# KiCad board boatcontrol.kicad_pcb (continued)
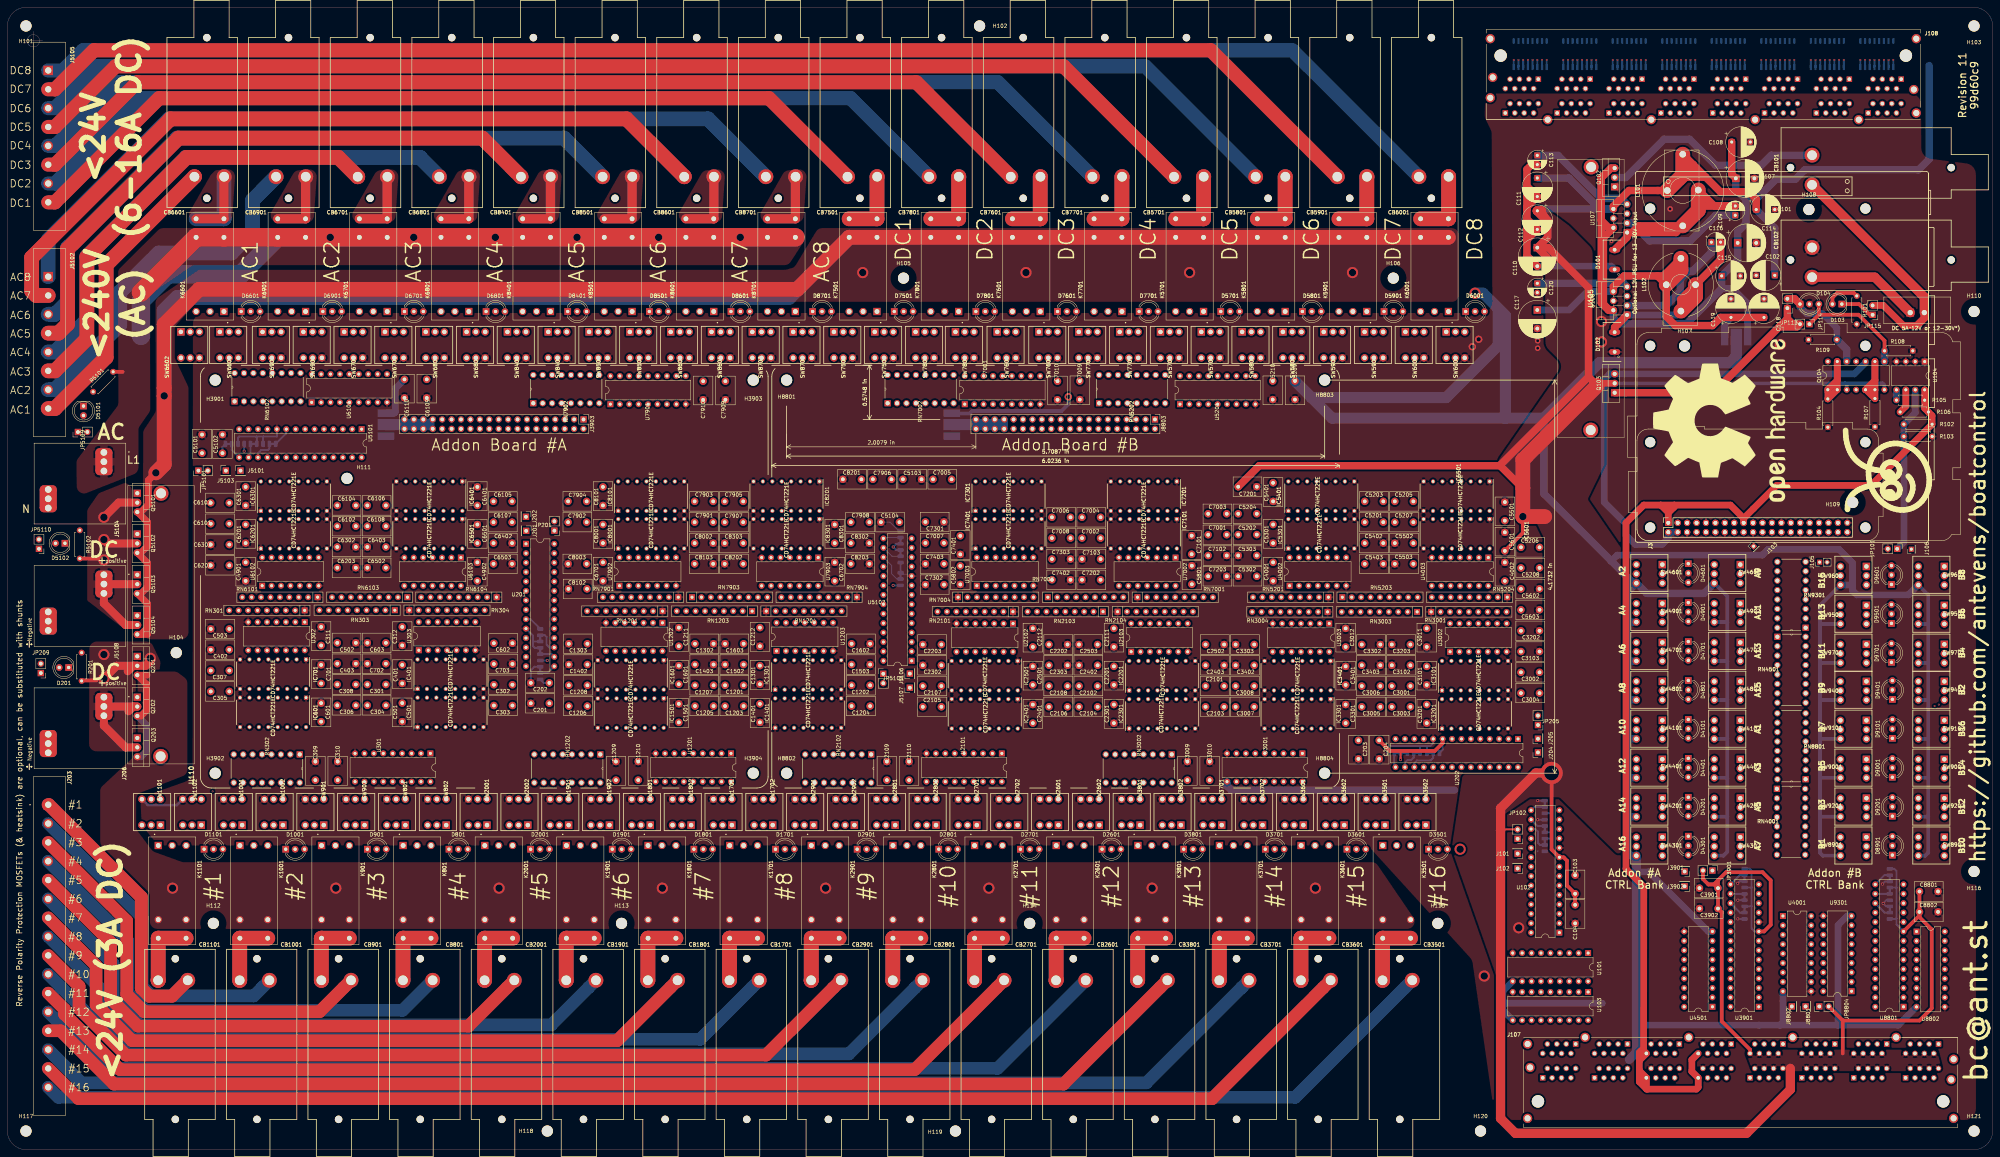
[diagram p0: board, top side]
## Routing (per net, layer and track width the routed paths; a pad name or vN(x,y) marks a point on that pad's centre or on a via; arc(x,y) is an arc through that point) (continued)
/Mixed 12V DC / 230V AC Common Bank/12V DC 10/16A Block/DIG_ON_C4: length 72.2
  In1.Cu w0.25: v4(275.2,154) 275.2,158.42 U7003.9 ; v4(246.55,133.7) 245.9,133.05 242.6,133.05 v4(241.9,132.35) ; v4(248.4,140.7) 247.55,141.55 247.55,146.76 250.86,150.08 252.61,150.08 253.53,149.16 253.53,148 253.8,147.73 264.43,147.73 265,148.3 265.1,148.4 265.1,149.65 265.8,150.35 275.12,150.35 RN7004.9
  In2.Cu w0.25: U5102.27 238.07,132.35 v4(241.9,132.35) ; RN7004.9 275.2,150.27 v4(275.2,154) ; v4(246.55,133.7) 248.4,135.55 v4(248.4,140.7)
/Mixed 12V DC / 230V AC Common Bank/12V DC 10/16A Block/MultiVibrator10A1/MUX_OFF: length 160.6
  In1.Cu w0.25: v4(250.15,197.75) 249.02,198.88 224.38,198.88 v4(218,192.5)
  In2.Cu w0.25: U7001.2 260.54,202.13 259.69,202.98 249.78,202.98 248.65,201.85 248.65,199.25 v4(250.15,197.75) ; v4(218,192.5) 223.45,187.05 233.15,187.05 236.87,183.33 236.87,180.09 237.59,179.37 238.7,179.37 244.25,173.82 247.25,173.82 251.02,170.05 251.02,168.58 251.05,168.55 251,168.44 255.41,164.02 279.08,164.02 280.92,162.19 292.33,162.19 293.44,163.3 300.1,163.3 304.99,168.19 IC7101.5
/Mixed 12V DC / 230V AC Common Bank/12V DC 10/16A Block/MultiVibrator10A1/MUX_ON: length 159
  In1.Cu w0.25: v4(216.5,192.5) 223.38,199.38 249.57,199.38 v4(251.2,197.75)
  In2.Cu w0.25: U7001.1 258,202.05 257.57,202.48 251.76,202.48 251.76,202.46 251.2,201.9 v4(251.2,197.75) ; IC7101.13 306.43,160.99 296.76,160.99 294.95,162.8 293.65,162.8 292.54,161.69 280.71,161.69 278.88,163.52 255.21,163.52 250.5,168.23 250.5,168.3 250.5,169.86 247.04,173.32 244.04,173.32 238.49,178.87 237.38,178.87 236.37,179.88 236.37,183.12 232.94,186.55 222.45,186.55 v4(216.5,192.5)
/Mixed 12V DC / 230V AC Common Bank/12V DC 10/16A Block/MultiVibrator10A1/R1: length 42.1
  In1.Cu w0.25: v4(304.62,157.18) 300.85,153.4 300.85,150.21 300.72,150.08 RN7003.9
  In2.Cu w0.25: C7001.1 326.9,167.5 315.48,167.5 IC7101.14 311,161.15 311,158.75 310.35,158.1 308.08,158.1 307.43,157.45 307.4,157.45 307.4,157.42 304.87,157.42 v4(304.62,157.18)
/Mixed 12V DC / 230V AC Common Bank/12V DC 10/16A Block/MultiVibrator10A1/R2: length 32.8
  In1.Cu w0.25: v4(294.32,150.55) 292.85,152.02 292.85,163.14 C7002.1
  In2.Cu w0.25: C7002.1 295.6,163.89 299.46,163.89 302.44,166.88 IC7101.6 ; RN7003.8 297.38,149.75 296.58,149.75 295.78,150.55 v4(294.32,150.55)
/Mixed 12V DC / 230V AC Common Bank/12V DC 10/16A Block/MultiVibrator10A1/RC1: length 13.5
  In2.Cu w0.25: C7001.2 322.4,167 317.52,167 IC7101.15
/Mixed 12V DC / 230V AC Common Bank/12V DC 10/16A Block/MultiVibrator10A1/RC2: length 12.4
  In2.Cu w0.25: C7002.2 292.56,164.89 296.76,169.08 298.96,169.08 IC7101.7
/Mixed 12V DC / 230V AC Common Bank/12V DC 10/16A Block/MultiVibrator10A2/MUX_OFF: length 147.4
  In1.Cu w0.25: v4(250.9,193.25) 250.15,192.5 v4(225.5,192.5)
  In2.Cu w0.25: 245.78,203.98 262.64,203.98 U7001.4 ; 245.78,203.98 245.73,203.98 243.55,201.8 243.55,200.7 244.2,200.05 245.77,200.05 248.7,197.12 249.31,197.12 250.9,195.54 v4(250.9,193.25) ; 245.78,203.98 245.76,203.98 ; IC7201.5 304.02,181.13 273.49,181.13 272.83,181.8 270.47,181.8 269.65,182.62 248.35,182.62 241.43,189.55 228.45,189.55 v4(225.5,192.5)
/Mixed 12V DC / 230V AC Common Bank/12V DC 10/16A Block/MultiVibrator10A2/MUX_ON: length 168.6
  In1.Cu w0.25: v4(219.45,192.5) 225.33,198.38 248.42,198.38 v4(249.05,197.75) ; IC7201.13 306.58,173.17 281.82,173.17 v4(281.1,172.45)
  In2.Cu w0.25: U7001.3 260.6,203.48 247.78,203.48 246.1,201.8 246.1,200.7 v4(249.05,197.75) ; v4(281.1,172.45) 279.85,171.2 279.85,168.65 275.72,164.52 258.88,164.52 258.2,165.2 258.2,171.09 256.96,172.33 251.22,172.33 247.97,175.58 246.14,175.58 242.97,178.74 242.97,185.18 240.6,187.55 224.4,187.55 v4(219.45,192.5)
/Mixed 12V DC / 230V AC Common Bank/12V DC 10/16A Block/MultiVibrator10A2/R1: length 54
  In1.Cu w0.25: RN7003.7 298,151.31 298,154.79 v4(300.31,157.09)
  In2.Cu w0.25: 311.25,171.05 313.4,171.05 313.85,170.6 313.85,169.51 314.86,168.5 325.65,168.5 C7003.1 ; 311.25,171.05 IC7201.14 ; 311.25,171.05 311.25,166.11 308.54,163.4 308.54,159.28 307.24,157.97 304.38,157.97 303.5,157.09 v4(300.31,157.09)
/Mixed 12V DC / 230V AC Common Bank/12V DC 10/16A Block/MultiVibrator10A2/R2: length 35.8
  In1.Cu w0.25: RN7003.6 292.28,149.77 292.28,165.54 v4(292.53,165.79)
  In2.Cu w0.25: IC7201.6 294.6,172.33 C7004.1 294.6,167.86 v4(292.53,165.79)
/Mixed 12V DC / 230V AC Common Bank/12V DC 10/16A Block/MultiVibrator10A2/RC1: length 11.6
  In2.Cu w0.25: C7003.2 322.19,171.45 321.84,171.1 314.53,171.1 313.4,172.23 IC7201.15
/Mixed 12V DC / 230V AC Common Bank/12V DC 10/16A Block/MultiVibrator10A2/RC2: length 14.3
  In2.Cu w0.25: C7004.2 290.23,170.5 IC7201.7
/Mixed 12V DC / 230V AC Common Bank/12V DC 10/16A Block/MultiVibrator16A1/MUX_OFF: length 114.9
  In1.Cu w0.25: v4(264.76,171.15) 259.8,171.15 v4(258.6,172.35) ; v4(222.5,192.5) 226.62,196.62 258.12,196.62 260.12,198.63 262.44,198.63 264.26,200.44 264.26,201.37 265.06,202.18 269.52,202.18 U7001.6
  In2.Cu w0.25: IC7301.5 269.98,171.15 v4(264.76,171.15) ; v4(222.5,192.5) 226.45,188.55 241.01,188.55 243.97,185.59 243.97,179.17 246.57,176.58 248.39,176.58 251.64,173.33 257.62,173.33 v4(258.6,172.35)
/Mixed 12V DC / 230V AC Common Bank/12V DC 10/16A Block/MultiVibrator16A1/MUX_ON: length 99.7
  In1.Cu w0.25: v4(224,192.5) 227.62,196.12 258.32,196.12 260.33,198.13 262.65,198.13 262.95,198.43 265.59,198.43 U7001.5
  In2.Cu w0.25: 268.52,180.17 267.23,178.87 249.13,178.87 247.9,180.1 247.9,182.37 241.22,189.05 227.45,189.05 v4(224,192.5)
/Mixed 12V DC / 230V AC Common Bank/12V DC 10/16A Block/MultiVibrator16A1/R1: length 83.9
  In1.Cu w0.25: RN7003.5 291.78,150.17 291.78,165.52 v4(291.63,165.66) ; 287.44,181.11 v4(288.1,180.45) ; 287.44,181.11 272.34,181.11 ; 287.44,181.11 266.93,181.11 IC7301.14
  In2.Cu w0.25: C7005.1 255.86,180.75 256.75,181.63 264.52,181.63 IC7301.14 ; v4(291.63,165.66) 288.1,169.2 v4(288.1,180.45)
/Mixed 12V DC / 230V AC Common Bank/12V DC 10/16A Block/MultiVibrator16A1/R2: length 33.9
  In1.Cu w0.25: v4(288.02,162.91) RN7003.4 ; IC7301.6 274.69,171.15 279.44,171.15 280.09,170.5 C7006.1
  In2.Cu w0.25: v4(288.02,162.91) 288.02,165.81 283.33,170.5 C7006.1
/Mixed 12V DC / 230V AC Common Bank/12V DC 10/16A Block/MultiVibrator16A1/RC1: length 15.7
  In2.Cu w0.25: C7005.2 250.83,179.37 255.2,179.37 256.93,181.11 262.5,181.11 IC7301.15
/Mixed 12V DC / 230V AC Common Bank/12V DC 10/16A Block/MultiVibrator16A1/RC2: length 11.9
  In2.Cu w0.25: 276.14,172.23 277.09,173.17 283.83,173.17 C7006.2
/Mixed 12V DC / 230V AC Common Bank/12V DC 10/16A Block/MultiVibrator16A2/MUX_OFF: length 142.2
  In1.Cu w0.25: v4(215,192.5) 222.38,199.88 222.4,199.85 222.43,199.88 250,199.88 252.25,197.63 257.7,197.63 259.25,199.17 259.25,201.45 260.98,203.18 273.6,203.18 U7001.8
  In2.Cu w0.25: 270.12,163.02 IC7401.5 270.12,163.02 ; 270.12,163.02 255,163.02 250,168.02 250,169.66 246.83,172.82 243.84,172.82 238.29,178.37 237.18,178.37 235.87,179.68 235.87,182.91 232.73,186.05 221.45,186.05 v4(215,192.5)
/Mixed 12V DC / 230V AC Common Bank/12V DC 10/16A Block/MultiVibrator16A2/MUX_ON: length 127.4
  In1.Cu w0.25: U7001.7 271.56,202.68 263.03,202.68 261.8,201.45 261.8,199.5 261.43,199.13 259.91,199.13 257.91,197.12 225.62,197.12 v4(221,192.5)
  In2.Cu w0.25: v4(221,192.5) 225.45,188.05 240.8,188.05 243.47,185.38 243.47,178.95 246.35,176.08 248.18,176.08 251.43,172.83 257.17,172.83 258.7,171.29 258.7,165.41 259.08,165.02 265.1,165.02 268.52,168.45 268.52,170.02
/Mixed 12V DC / 230V AC Common Bank/12V DC 10/16A Block/MultiVibrator16A2/R1: length 56.3
  In1.Cu w0.25: v4(264.93,165.78) 264.93,161.57 265.5,161 267.2,161 ; 267.2,161 265.65,161 ; 267.2,161 267.6,160.6 267.59,160.59 v4(267.59,158.35) 270.15,155.79 270.15,151.57 270.85,150.87 282.15,150.87 282.94,150.08 RN7003.2
  In2.Cu w0.25: v4(267.59,158.35) 260.55,158.35 258.75,160.15 258.75,161.55 257.78,162.52 253.47,162.52 C7007.1 ; v4(264.93,165.78) 265.99,166.84 IC7401.14
/Mixed 12V DC / 230V AC Common Bank/12V DC 10/16A Block/MultiVibrator16A2/R2: length 31.3
  In1.Cu w0.25: v4(284.06,164.15) 284.06,150.37 RN7003.3 ; IC7401.6 273.61,162.88 273.08,163.41 273.08,165.45 273.57,165.95 280.44,165.95 C7008.1
  In2.Cu w0.25: v4(284.06,164.15) 283.32,164.89 C7008.1
/Mixed 12V DC / 230V AC Common Bank/12V DC 10/16A Block/MultiVibrator16A2/RC1: length 23
  In1.Cu w0.25: v4(254.5,161.05) 255.33,161.88 258.98,161.88 v4(262.9,165.8)
  In2.Cu w0.25: v4(262.9,165.8) 263.44,166.34 IC7401.15 ; v4(254.5,161.05) 251.35,161.05 248.81,163.59 C7007.2
/Mixed 12V DC / 230V AC Common Bank/12V DC 10/16A Block/MultiVibrator16A2/RC2: length 12.9
  In1.Cu w0.25: 276.14,162.08 276.14,162.88 276.78,163.51 282.16,163.51 284.6,165.95 285.44,165.95 C7008.2
/Mixed 12V DC / 230V AC Common Bank/12V DC 10/16A Block/OUT_C1: length 299.1
  Bottom w3.8: J5105.5 12.8,270.68 29.95,287.83 266.92,287.83 CB7701.P2
/Mixed 12V DC / 230V AC Common Bank/12V DC 10/16A Block/OUT_C2: length 279.2
  Top w3.8: J5105.6 12.8,265.6 35.03,287.83 244.92,287.83 CB7601.P2
/Mixed 12V DC / 230V AC Common Bank/12V DC 10/16A Block/OUT_C3: length 255.7
  Bottom w3.8: J5105.7 12.8,260.52 35.8,283.52 227.23,283.52 CB7801.P2
/Mixed 12V DC / 230V AC Common Bank/12V DC 10/16A Block/OUT_C4: length 235.8
  Top w3.8: CB7501.P2 205.23,283.52 40.88,283.52 12.8,255.44 J5105.8
/Mixed 12V DC / 230V AC Common Bank/230V AC 6A Block/6AC1/DISABLED_INDICATOR: length 12.4
  In1.Cu w1: SW8701.3 215,222.25 207.5,222.25 SW8702.3
/Mixed 12V DC / 230V AC Common Bank/230V AC 6A Block/6AC1/OFF: length 33.5
  In1.Cu w0.25: SW8701.4 210.35,212.1 197.01,212.1 195.51,210.6 182.26,210.6 U7901.11
/Mixed 12V DC / 230V AC Common Bank/230V AC 6A Block/6AC1/OFF_COIL: length 59.4
  In2.Cu w0.25: SW8702.2 203.25,219.09 200.66,216.5 199.8,216.5 199.79,216.49 165.95,216.49 164.6,215.14 164.6,212.9 162.82,211.12 159.2,211.12 RN7902.10
  In2.Cu w1: K8701.8 203.25,224.4 SW8702.2
/Mixed 12V DC / 230V AC Common Bank/230V AC 6A Block/6AC1/OFF_LED: length 78.6
  In1.Cu w0.25: D8701.3 219.58,223.5 219.58,213.58 217.09,211.1 197.43,211.1 195.93,209.6 186.25,209.6 179.55,202.9 161.13,202.9 RN7902.8
/Mixed 12V DC / 230V AC Common Bank/230V AC 6A Block/6AC1/OFF_TO_ON: length 30.1
  In1.Cu w0.7: SW8702.1 200.75,222.2 201.9,223.35 216.27,223.35 218.35,221.27 218.35,217.6 SW8701.5
/Mixed 12V DC / 230V AC Common Bank/230V AC 6A Block/6AC1/ON: length 25
  In2.Cu w0.25: U7901.12 181.24,212.12 199.37,212.12 SW8702.4
/Mixed 12V DC / 230V AC Common Bank/230V AC 6A Block/6AC1/ON_COIL: length 68
  In2.Cu w0.25: RN7902.9 161.24,210.62 163.03,210.62 165.1,212.69 165.1,214.93 166.16,215.99 211.15,215.99 214.25,219.09 SW8701.2
  In2.Cu w1: SW8701.2 214.25,224.1 K8701.1
/Mixed 12V DC / 230V AC Common Bank/230V AC 6A Block/6AC1/ON_LED: length 80.4
  In1.Cu w0.25: D8701.1 217,224.85 219.08,222.77 219.08,213.79 216.88,211.6 197.22,211.6 195.72,210.1 186.04,210.1 179.34,203.4 159.09,203.4 RN7902.7
/Mixed 12V DC / 230V AC Common Bank/230V AC 6A Block/6AC1/ON_TO_OFF: length 11.4
  In1.Cu w1: SW8701.1 210.25,220.5 SW8702.5
/Mixed 12V DC / 230V AC Common Bank/230V AC 6A Block/6AC1/TO_FUSE: length 37.7
  Top w2.5: CB8701.P1 212.35,262.3 K8701.4 K8701.5
  Bottom w2.5: K8701.5 K8701.4 212.35,262.3 CB8701.P1
/Mixed 12V DC / 230V AC Common Bank/230V AC 6A Block/6AC2/DISABLED_INDICATOR: length 12.4
  In1.Cu w1: SW8602.3 185.5,222.25 193,222.25 SW8601.3
/Mixed 12V DC / 230V AC Common Bank/230V AC 6A Block/6AC2/OFF: length 16.6
  In1.Cu w0.25: SW8601.4 188.37,212.12 178.7,212.12 U7901.13
/Mixed 12V DC / 230V AC Common Bank/230V AC 6A Block/6AC2/OFF_COIL: length 42.5
  In2.Cu w0.25: RN7902.12 155.12,212.12 162.41,212.12 163.6,213.31 163.6,215.55 165.55,217.5 179.66,217.5 181.25,219.09 SW8602.2
  In2.Cu w1: K8601.8 181.25,224.4 SW8602.2
/Mixed 12V DC / 230V AC Common Bank/230V AC 6A Block/6AC2/OFF_LED: length 64.4
  In1.Cu w0.25: D8601.3 197.88,223.8 197.88,213.67 195.31,211.1 179.93,211.1 179.01,210.18 179.01,205.87 177.04,203.9 157.05,203.9 RN7902.6
/Mixed 12V DC / 230V AC Common Bank/230V AC 6A Block/6AC2/OFF_TO_ON: length 29.5
  In1.Cu w1: SW8601.5 196.5,217.75 196.5,221.34 194.34,223.5 181.66,223.5 178.75,220.59 SW8602.1
/Mixed 12V DC / 230V AC Common Bank/230V AC 6A Block/6AC2/ON: length 8.2
  In2.Cu w0.25: SW8602.4 177.34,213.5 172.66,208.82 U7901.14
/Mixed 12V DC / 230V AC Common Bank/230V AC 6A Block/6AC2/ON_COIL: length 51.1
  In2.Cu w0.25: RN7902.11 157.16,211.62 162.62,211.62 164.1,213.11 164.1,215.34 165.76,217 190.16,217 192.25,219.09 SW8601.2
  In2.Cu w1: SW8601.2 192.25,224.1 K8601.1
/Mixed 12V DC / 230V AC Common Bank/230V AC 6A Block/6AC2/ON_LED: length 69.1
  In1.Cu w0.25: 155.01,204.4 RN7902.5 156.77,206.16 174.9,206.16 176.47,207.73 176.47,209.18 178.89,211.6 195.1,211.6 197.38,213.88 197.38,222.47 195,224.85 D8601.1
/Mixed 12V DC / 230V AC Common Bank/230V AC 6A Block/6AC2/ON_TO_OFF: length 11.4
  In1.Cu w1: SW8602.5 188.25,220.5 SW8601.1
/Mixed 12V DC / 230V AC Common Bank/230V AC 6A Block/6AC2/TO_FUSE: length 37.7
  Top w2.5: K8601.5 K8601.4 190.4,251.05 CB8601.P1
  Bottom w2.5: CB8601.P1 190.35,262.3 K8601.4 K8601.5
/Mixed 12V DC / 230V AC Common Bank/230V AC 6A Block/6AC3/DISABLED_INDICATOR: length 12.4
  In1.Cu w1: SW8501.3 171,222.25 163.5,222.25 SW8502.3
/Mixed 12V DC / 230V AC Common Bank/230V AC 6A Block/6AC3/OFF: length 5.9
  In2.Cu w0.25: SW8501.4 170.12,211.13 U7901.15
/Mixed 12V DC / 230V AC Common Bank/230V AC 6A Block/6AC3/OFF_COIL: length 26.2
  In2.Cu w0.25: 148.01,210.1 RN7902.14 148.01,210.1 ; 148.01,210.1 150.61,210.1 159.25,218.74 SW8502.2
  In2.Cu w1: SW8502.2 159.25,224.4 K8501.8
/Mixed 12V DC / 230V AC Common Bank/230V AC 6A Block/6AC3/OFF_LED: length 48.3
  In1.Cu w0.25: RN7902.4 149.34,203.1 152.9,206.66 172.85,206.66 173.94,207.75 173.94,210.55 176.49,213.1 176.49,224.41 D8501.3
/Mixed 12V DC / 230V AC Common Bank/230V AC 6A Block/6AC3/OFF_TO_ON: length 29.5
  In1.Cu w1: SW8502.1 156.75,220.59 159.66,223.5 172.34,223.5 174.5,221.34 174.5,217.75 SW8501.5
/Mixed 12V DC / 230V AC Common Bank/230V AC 6A Block/6AC3/ON: length 12.9
  In1.Cu w0.25: U7901.16 164.08,212.12 158.13,212.12 SW8502.4
/Mixed 12V DC / 230V AC Common Bank/230V AC 6A Block/6AC3/ON_COIL: length 32.1
  In2.Cu w0.25: RN7902.13 150.1,208.89 160.34,219.12 169.05,219.12 169.25,219.32 169.25,219.5 SW8501.2
  In2.Cu w1: SW8501.2 170.25,224.1 K8501.1
/Mixed 12V DC / 230V AC Common Bank/230V AC 6A Block/6AC3/ON_LED: length 53.5
  In1.Cu w0.25: D8501.1 173,224.85 175.38,222.47 175.38,214.09 171.39,210.1 171.39,207.84 170.71,207.16 152.69,207.16 RN7902.3 150.6,205.07
/Mixed 12V DC / 230V AC Common Bank/230V AC 6A Block/6AC3/ON_TO_OFF: length 11.4
  In1.Cu w1: SW8502.5 166.25,220.5 SW8501.1
/Mixed 12V DC / 230V AC Common Bank/230V AC 6A Block/6AC3/TO_FUSE: length 37.7
  Top w2.5: K8501.5 K8501.4 168.35,262.3 CB8501.P1
  Bottom w2.5: K8501.5 K8501.4 168.35,262.3 CB8501.P1
/Mixed 12V DC / 230V AC Common Bank/230V AC 6A Block/6AC4/DISABLED_INDICATOR: length 12.4
  In1.Cu w1: SW8402.3 141.5,222.25 149,222.25 SW8401.3
/Mixed 12V DC / 230V AC Common Bank/230V AC 6A Block/6AC4/OFF: length 49.8
  In2.Cu w0.25: SW8401.4 144.37,214.88 134.09,214.88 133.37,214.16 133.37,212.84 136.11,210.1 142.3,210.1 143.05,209.36 143.05,208.3 144.18,207.17 163.59,207.17 U7901.17
/Mixed 12V DC / 230V AC Common Bank/230V AC 6A Block/6AC4/OFF_COIL: length 26.2
  In2.Cu w0.25: SW8402.2 137.25,218.74 132.87,214.37 132.87,212.63 136.62,208.89 RN7902.16
  In2.Cu w1: K8401.8 137.25,224.4 SW8402.2
/Mixed 12V DC / 230V AC Common Bank/230V AC 6A Block/6AC4/OFF_LED: length 31.6
  In1.Cu w0.25: RN7902.2 144.26,202.45 148.07,206.26 148.07,209.41 149.39,210.73 152.73,210.73 153.88,211.88 153.88,223.8 D8401.3
/Mixed 12V DC / 230V AC Common Bank/230V AC 6A Block/6AC4/OFF_TO_ON: length 29.5
  In1.Cu w1: SW8402.1 134.75,220.59 137.66,223.5 150.34,223.5 152.5,221.34 152.5,217.75 SW8401.5
/Mixed 12V DC / 230V AC Common Bank/230V AC 6A Block/6AC4/ON: length 31.2
  In2.Cu w0.25: U7901.18 161.55,207.67 146.22,207.67 145.59,208.3 145.59,209.47 142.93,212.12 136.13,212.12 SW8402.4
/Mixed 12V DC / 230V AC Common Bank/230V AC 6A Block/6AC4/ON_COIL: length 19.6
  In1.Cu w0.25: SW8401.2 148.25,218.04 144.26,214.05 RN7902.15
  In2.Cu w1: SW8401.2 148.25,224.1 K8401.1
/Mixed 12V DC / 230V AC Common Bank/230V AC 6A Block/6AC4/ON_LED: length 34.1
  In1.Cu w0.25: RN7902.1 141.72,202.36 145.53,206.17 145.53,210.39 146.37,211.23 152.52,211.23 153.38,212.09 153.38,221.7 151,224.08 D8401.1
/Mixed 12V DC / 230V AC Common Bank/230V AC 6A Block/6AC4/ON_TO_OFF: length 11.4
  In1.Cu w1: SW8402.5 144.25,220.5 SW8401.1
/Mixed 12V DC / 230V AC Common Bank/230V AC 6A Block/6AC4/TO_FUSE: length 37.7
  Top w2.5: CB8401.P1 146.35,262.3 K8401.4 K8401.5
  Bottom w2.5: CB8401.P1 146.35,262.3 K8401.4 K8401.5
/Mixed 12V DC / 230V AC Common Bank/230V AC 6A Block/DIG_OFF_C1: length 121.3
  In1.Cu w0.25: v4(111.48,187.5) 110.85,188.13 103.89,188.13 96.32,195.7 94.36,195.7 U5101.2 ; RN7901.5 170.64,150.12 U7902.4 ; v4(156.35,180.85) 142.4,180.85 v4(140.5,178.95)
  In2.Cu w0.25: v4(156.35,180.85) 154.72,179.22 154.72,154.82 159.17,150.37 170.35,150.37 170.64,150.08 RN7901.5 ; v4(140.5,178.95) 135.65,183.8 115.18,183.8 v4(111.48,187.5)
/Mixed 12V DC / 230V AC Common Bank/230V AC 6A Block/DIG_OFF_C2: length 112.8
  In1.Cu w0.25: U7902.12 171.3,158.4 171.3,151.49 169.56,149.75 168.9,149.75 RN7901.6 ; v4(156.85,165.4) 156.5,165.4 153.75,168.15 153.75,169.51 150.06,173.2 148.25,173.2 v4(148,173.45) ; U5101.4 90.28,196.7 96.73,196.7 104.31,189.13 111.82,189.13 v4(113.45,187.5)
  In2.Cu w0.25: v4(156.85,165.4) 165.22,165.4 168.4,162.22 168.4,161.3 U7902.12 ; v4(113.45,187.5) 116.15,184.8 136.65,184.8 v4(148,173.45)
/Mixed 12V DC / 230V AC Common Bank/230V AC 6A Block/DIG_OFF_C3: length 190.7
  In1.Cu w0.25: RN7904.6 214.7,150.45 214.7,156.8 213.25,158.25 212.28,158.25 U7903.4 ; v4(152.05,148.15) v4(158.45,148.15) ; U5101.6 86.2,197.7 97.15,197.7 104.72,190.13 112.82,190.13 v4(115.45,187.5)
  In2.Cu w0.25: U7903.4 210.88,156.4 212.15,155.13 212.15,151.2 211.58,150.63 204.76,150.63 203.55,149.42 203.55,148.15 203.28,147.88 202.78,147.88 202.28,147.38 159.22,147.38 v4(158.45,148.15) ; v4(152.05,148.15) 150.8,148.15 148.72,150.23 148.72,174.56 137.49,185.8 117.15,185.8 v4(115.45,187.5)
/Mixed 12V DC / 230V AC Common Bank/230V AC 6A Block/DIG_OFF_C4: length 181.4
  In1.Cu w0.25: U5101.8 82.12,198.7 97.56,198.7 105.14,191.13 113.77,191.13 v4(117.4,187.5) ; v4(150.35,154.09) 154.59,149.85 154.6,149.85 v4(154.85,149.6)
  In2.Cu w0.25: RN7904.5 217.24,150.45 215,150.45 U7903.12 213.42,150.9 212.65,150.13 210.56,150.13 209.85,149.42 209.85,148.25 209.2,147.6 206.29,147.6 205.56,146.88 203.19,146.88 202.69,146.38 158.07,146.38 v4(154.85,149.6) ; v4(150.35,154.09) 149.72,154.72 149.72,174.97 149.7,175 137.9,186.8 118.1,186.8 v4(117.4,187.5)
/Mixed 12V DC / 230V AC Common Bank/230V AC 6A Block/DIG_ON_C1: length 109.1
  In1.Cu w0.25: v4(110.5,187.5) 101.67,187.5 95.47,193.7 U5101.1 ; U7902.1 163.58,152.05 RN7901.9 158.65,150.78 158.65,175.3 v4(158.8,175.45) ; 156.82,180.22 v4(156.85,180.25) 156.68,180.08 142.58,180.08 v4(140.5,178)
  In2.Cu w0.25: v4(156.85,180.25) 156.42,179.82 156.42,176.75 157,176.18 158.07,176.18 v4(158.8,175.45) ; v4(110.5,187.5) 114.7,183.3 135.2,183.3 v4(140.5,178)
/Mixed 12V DC / 230V AC Common Bank/230V AC 6A Block/DIG_ON_C2: length 117.7
  In1.Cu w0.25: RN7901.2 178.26,150.26 178.95,150.95 178.95,158.37 U7902.9 ; 148.34,172.39 v4(147.99,172.39) 150.16,172.39 153.25,169.3 153.25,167.6 156.5,164.35 v4(156.85,164.35) ; U5101.3 92.32,196.2 96.53,196.2 104.1,188.63 111.37,188.63 v4(112.5,187.5)
  In2.Cu w0.25: v4(156.85,164.35) 160.15,161.05 167.9,161.05 168.75,160.2 168.75,159.21 169.47,158.49 176.47,158.49 U7902.9 ; 148,172.38 v4(147.99,172.39) 136.08,184.3 115.7,184.3 v4(112.5,187.5)
/Mixed 12V DC / 230V AC Common Bank/230V AC 6A Block/DIG_ON_C3: length 170.8
  In1.Cu w0.25: U5101.5 88.24,197.2 96.94,197.2 104.52,189.63 112.32,189.63 v4(114.45,187.5) ; U7903.1 218.5,154.98 222.63,150.85 224.46,150.85 RN7904.2 ; v4(148.05,174.3) 148.08,174.3 148.67,173.7 150.26,173.7 154.25,169.71 154.25,168.55 155.87,166.93 v4(156.9,166.93)
  In2.Cu w0.25: U7903.1 218.5,160.7 218.2,161 215.65,161 215.05,161.6 215.05,162.55 211.42,166.18 202.02,166.18 199.95,168.24 199.95,169.75 199.1,170.6 196.75,170.6 193.08,166.93 v4(156.9,166.93) ; v4(148.05,174.3) 137.05,185.3 116.65,185.3 v4(114.45,187.5)
/Mixed 12V DC / 230V AC Common Bank/230V AC 6A Block/DIG_ON_C4: length 171
  In1.Cu w0.25: v4(116.45,187.5) 113.32,190.63 104.93,190.63 97.35,198.2 84.16,198.2 U5101.7 ; RN7904.9 205.8,151.73 U7903.9 ; v4(156.75,148.95) v4(151.25,148.95)
  In2.Cu w0.25: v4(156.75,148.95) 158.82,146.88 202.49,146.88 202.99,147.38 205.35,147.38 206.93,148.95 RN7904.9 ; 138.69,185.3 138.99,185.01 ; v4(151.25,148.95) 150.71,148.95 149.22,150.43 149.22,174.77 137.69,186.3 117.65,186.3 v4(116.45,187.5)
/Mixed 12V DC / 230V AC Common Bank/230V AC 6A Block/MultiVibrator6A1/MUX_OFF: length 51.9
  In1.Cu w0.25: 174.76,162.08 174.13,162.08 173,160.95 171.7,160.95 170.95,161.7 170.95,162.64 176.1,167.79 176.1,170.4 175.4,171.1 v4(173.51,171.1) ; U7901.2 165.04,196.66 v4(169.15,192.55)
  In2.Cu w0.25: 170.9,190.8 170.76,190.94 ; 170.76,190.94 v4(169.15,192.55) ; 170.76,190.94 170.76,175.81 173.51,173.06 v4(173.51,171.1)
/Mixed 12V DC / 230V AC Common Bank/230V AC 6A Block/MultiVibrator6A1/MUX_ON: length 35
  In1.Cu w0.25: U7901.1 162.5,197.8 v4(167.75,192.55)
  In2.Cu w0.25: IC8001.13 171,171.25 171,173.8 168.45,176.35 168.45,191.85 v4(167.75,192.55)
/Mixed 12V DC / 230V AC Common Bank/230V AC 6A Block/MultiVibrator6A1/R1: length 39.8
  In1.Cu w0.25: C7901.1 v4(185.2,166.3)
  In2.Cu w0.25: v4(185.2,166.3) 187.08,164.42 187.08,153.99 RN7903.4 ; C7901.1 184.2,168.19 171.52,168.19 IC8001.14
/Mixed 12V DC / 230V AC Common Bank/230V AC 6A Block/MultiVibrator6A1/R2: length 48.4
  In2.Cu w0.25: RN7903.3 186.58,151.95 186.58,159.28 182.84,163.02 178.25,163.02 IC8001.6 173.36,166.03 156.73,166.03 156.1,166.66 C7902.1
/Mixed 12V DC / 230V AC Common Bank/230V AC 6A Block/MultiVibrator6A1/RC1: length 24.6
  In2.Cu w0.25: IC8001.15 169.48,167.69 188.7,167.69 C7901.2
/Mixed 12V DC / 230V AC Common Bank/230V AC 6A Block/MultiVibrator6A1/RC2: length 39.8
  In1.Cu w0.25: C7902.2 151.1,167.77 154.57,164.3 v4(155.5,164.3)
  In2.Cu w0.25: v4(155.5,164.3) 159.1,160.7 159.1,157.71 159.84,156.97 163.49,156.97 164.51,157.99 177.94,157.99 178.9,158.95 178.9,161.14 IC8001.7
/Mixed 12V DC / 230V AC Common Bank/230V AC 6A Block/MultiVibrator6A2/MUX_OFF: length 30.7
  In1.Cu w0.25: U7901.4 170.12,194.63 v4(172.2,192.55)
  In2.Cu w0.25: v4(172.2,192.55) 173.5,191.25 173.5,174.29 174.76,173.03 174.76,172.23
/Mixed 12V DC / 230V AC Common Bank/230V AC 6A Block/MultiVibrator6A2/MUX_ON: length 22.8
  In1.Cu w0.25: v4(170.7,192.55) 167.58,195.67 U7901.3
  In2.Cu w0.25: v4(170.7,192.55) 172.22,191.03 IC8101.13
/Mixed 12V DC / 230V AC Common Bank/230V AC 6A Block/MultiVibrator6A2/R1: length 53
  In1.Cu w0.25: v4(189.95,172) 191.8,170.15 191.8,153.71 RN7903.2 ; v4(184.65,180.05) 183.59,181.11 170.63,181.11 IC8101.14
  In2.Cu w0.25: v4(184.65,180.05) 185.2,179.5 C7903.1 188,172 v4(189.95,172)
/Mixed 12V DC / 230V AC Common Bank/230V AC 6A Block/MultiVibrator6A2/R2: length 70.3
  In1.Cu w0.25: v4(161.24,175.5) 166.43,175.5 168.03,177.1 177.5,177.1 178.1,176.5 178.1,173.03 IC8101.6 ; RN7903.5 195.46,149.75 195.46,170.66 v4(194.01,172.11)
  In2.Cu w0.25: IC8101.6 178.25,173.17 186.12,173.17 188.29,171 192.9,171 v4(194.01,172.11) ; v4(161.24,175.5) 159.78,175.5 159.08,174.8 C7904.1
/Mixed 12V DC / 230V AC Common Bank/230V AC 6A Block/MultiVibrator6A2/RC1: length 26.3
  In1.Cu w0.25: v4(167.4,178.1) v4(186.85,178.1)
  In2.Cu w0.25: IC8101.15 167.15,178.35 v4(167.4,178.1) ; v4(186.85,178.1) 186.9,178.1 C7903.2
/Mixed 12V DC / 230V AC Common Bank/230V AC 6A Block/MultiVibrator6A2/RC2: length 37.3
  In1.Cu w0.25: v4(159.65,176.13) 166.35,176.13 167.82,177.6 180.45,177.6 180.9,177.15 180.9,173.29 IC8101.7 ; v4(157.05,177.05) 153.35,177.05 C7904.2
  In2.Cu w0.25: v4(159.65,176.13) 158.73,177.05 v4(157.05,177.05)
/Mixed 12V DC / 230V AC Common Bank/230V AC 6A Block/MultiVibrator6A3/MUX_OFF: length 51.8
  In1.Cu w0.25: v4(175.25,192.55) 175.2,192.6 U7901.6
  In2.Cu w0.25: IC8201.5 206.65,182.2 177.51,182.2 175.25,184.46 v4(175.25,192.55)
/Mixed 12V DC / 230V AC Common Bank/230V AC 6A Block/MultiVibrator6A3/MUX_ON: length 60.6
  In1.Cu w0.25: v4(173.7,192.55) 172.66,193.59 U7901.5
  In2.Cu w0.25: v4(173.7,192.55) 174.75,191.5 174.75,184.25 177.3,181.7 183.93,181.7 185.7,179.92 185.7,179.85 185.7,177.35 189.88,173.17 209.33,173.17 210.27,172.23 211.22,172.23
/Mixed 12V DC / 230V AC Common Bank/230V AC 6A Block/MultiVibrator6A3/R1: length 43
  In1.Cu w0.25: v4(202.27,174.4) 202.27,161.33 200.86,159.92 200.86,155.43 199.74,154.31 RN7903.7
  In2.Cu w0.25: C7905.1 201.87,174.8 v4(202.27,174.4) 208.81,174.4 209.88,173.32 212.67,173.32 213.76,172.23
/Mixed 12V DC / 230V AC Common Bank/230V AC 6A Block/MultiVibrator6A3/R2: length 72.7